# Altium PCB spd150.PcbDoc (part 4 of 16)
Units mm, origin at the board's own origin, x right, y up, seen from the top; angles counter-clockwise.
Board outline 217.35 x 147.5 mm, 10 copper layers (TOP, LYR2-PLN, LYR3-SIG, LYR4-SIG, LYR5-PLN, LYR6-PLN, LYR7-SIG, LYR8-SIG, LYR9-PLN, BOTTOM), stack 2.134 mm thick; 1065 components, 972 nets, 4226 pads, 2810 vias.
Unrouted connection lines stored in the file: 16.
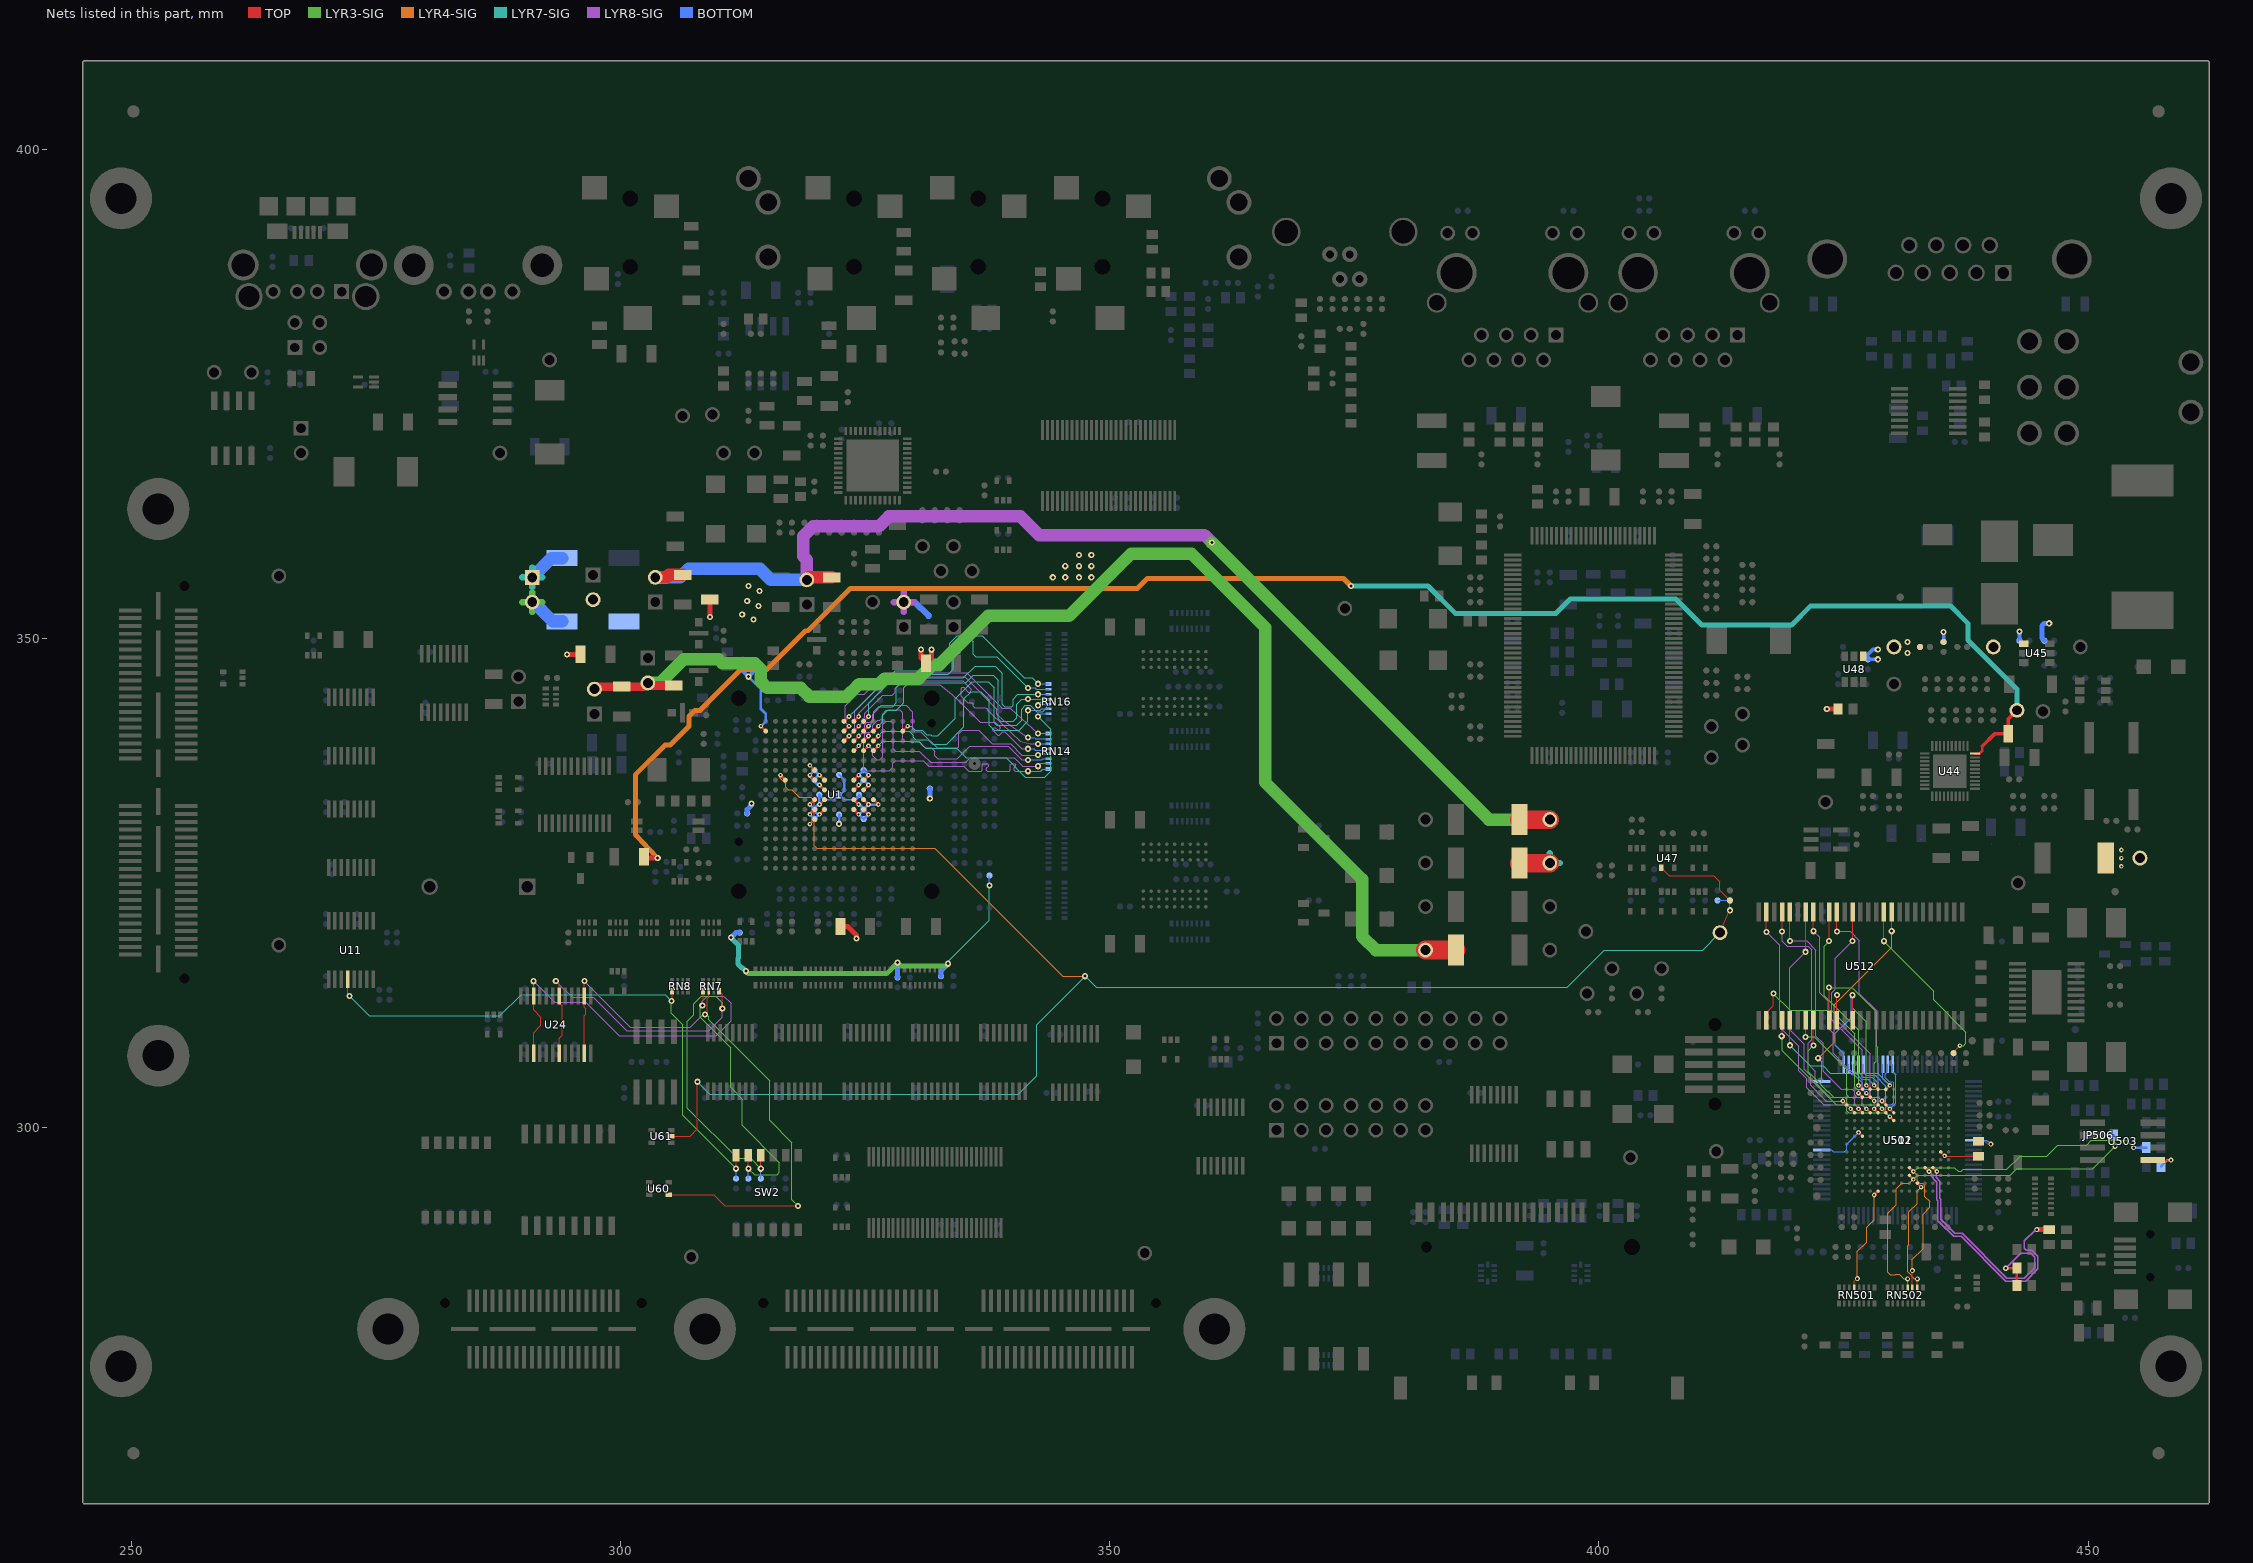
[diagram p12: the nets of this part, all layers, seen from the top]

## Via types
v1: diameter 0.635, hole 0.305, TOP to BOTTOM, 2018 vias
v2: diameter 0.483, hole 0.203, TOP to BOTTOM, 651 vias
v3: diameter 0.508, hole 0.254, TOP to BOTTOM, 120 vias
v4: diameter 0.559, hole 0.254, TOP to BOTTOM, 21 vias

## Nets (pads, with @x,y where several pads share a name; then routed paths per layer and width w, separated by ;. In a path a pad name is that pad's centre, name@x,y a point inside that pad or via, vN(x,y) a via of type N, cw(c..) or ccw(c..) an arc to the next point about the centre after c; other vN are vias at no path point) (continued)
BOOTMODE[1]: R129.1 RN7.8 SW2.10 U24.7 U24.18 | length 57.8
  TOP w0.127: v1(293.37,314.96) 293.695,314.635 U24.18@293.695,313.436 293.695,312.73 294.005,312.42 294.005,309.415 293.695,309.105 U24.7@293.695,307.594 ; RN7.8@310.068,313.931 310.388,313.611 v1(310.388,312.166) ; v1(314.325,295.783) SW2.10@314.325,297.18
  LYR3-SIG w0.127: v1(310.388,312.166) 310.388,312.758 309.71,313.436 308.242,313.436 307.467,312.661 307.467,311.531 306.802,310.866 306.802,301.983 311.948,296.837 313.271,296.837 v1(314.325,295.783)
  LYR8-SIG w0.127: v1(293.37,314.96) 295.021,313.309 297.18,313.309 300.609,309.88 308.991,309.88 310.388,311.277 v1(310.388,312.166)
  BOTTOM w0.127: R129.1@314.325,294.767 v1(314.325,295.783)
BOOTMODE[2]: R128.1 RN7.5 SW2.11 U24.3 U24.22 | length 64.8
  TOP w0.127: U24.3@291.094,307.594 291.094,309.679 291.846,310.431 291.846,311.277 291.094,312.029 U24.22@291.094,313.436 v1(291.094,314.95) ; v1(308.343,312.458) 308.356,312.471 308.356,312.928 308.422,312.994 RN7.5@308.422,313.931 ; v1(313.055,295.783) SW2.11@313.055,297.18
  LYR3-SIG w0.127: v1(308.343,312.458) 308.343,312.407 308.117,312.181 308.117,311.262 311.226,308.153 311.226,304.089 312.42,302.895 312.42,300.228 316.23,296.418 316.23,295.402 315.976,295.148 313.69,295.148 v1(313.055,295.783)
  LYR8-SIG w0.127: v1(291.094,314.95) 293.243,312.801 296.418,312.801 299.847,309.372 309.753,309.372 311.277,310.896 311.277,312.674 310.515,313.436 308.864,313.436 308.356,312.928 308.356,312.471 v1(308.343,312.458)
  BOTTOM w0.127: R128.1@313.055,294.767 v1(313.055,295.783)
BOOTMODE[3]: RN7.6 U24.11 U24.14 U60.4 | length 62.1
  TOP w0.127: v1(296.291,314.96) 296.296,314.955 U24.14@296.296,313.436 296.296,312.293 296.443,312.146 296.443,311.572 296.296,311.424 U24.11@296.296,307.594 ; U60.4@304.902,293.101 309.514,293.101 310.642,291.973 v1(318.135,291.973) ; v1(308.625,311.559) 308.864,311.798 308.864,313.182 308.996,313.314 RN7.6@308.996,313.931
  LYR3-SIG w0.127: v1(308.625,311.559) 308.742,311.559 308.981,311.32 308.981,311.033 315.214,304.8 315.214,300.736 317.5,298.45 317.5,292.608 v1(318.135,291.973)
  LYR8-SIG w0.127: v1(296.291,314.96) 300.99,310.261 307.099,310.261 308.369,311.531 308.597,311.531 v1(308.625,311.559)
BOOTMODE[7]: R127.1 RN8.5 SW2.12 U11.4 | length 60
  TOP w0.127: U11.4@272.09,315.148 272.09,313.634 v1(272.288,313.436) ; v1(305.181,312.928) 305.247,312.994 RN8.5@305.247,313.931 ; v1(311.785,295.783) SW2.12@311.785,297.18
  LYR3-SIG w0.127: v1(305.181,312.928) 305.181,311.658 306.324,310.515 306.324,301.244 v1(311.785,295.783)
  LYR7-SIG w0.127: v1(272.288,313.436) 274.32,311.404 287.655,311.404 289.814,313.563 304.546,313.563 v1(305.181,312.928)
  BOTTOM w0.127: R127.1@311.785,294.767 v1(311.785,295.783)
C5509_CLK12MHZ: R618.2 U502.F2 | length 4
  TOP w0.102: v2(435.331,297.101) 435.379,297.053 R618.2@438.277,297.053
  TOP w0.127: R618.2@438.277,297.053 R618.2@438.785,297.053
  TOP w0.254: U502.F2@434.932,297.503 v2(435.331,297.101)
C5509_RSN: U502.H12 U511.86 | length 5.5
  TOP w0.254: v2(426.527,299.504) U502.H12@426.928,299.105
  BOTTOM w0.102: U511.86@422.783,297.703 423.73,297.703 423.926,297.508 425.092,297.508 425.32,297.736 425.32,298.298 v2(426.527,299.504)
CLK_12MHZ: R618.1 U511.38 | length 3.3
  TOP w0.127: R618.1@438.785,298.577 439.42,298.577 439.674,298.323 440.03,298.323 v3(440.055,298.298)
  BOTTOM w0.127: U511.38@438.277,298.704 439.565,298.704 439.692,298.577 439.776,298.577 v3(440.055,298.298)
CLKMEM: R591.1 U512.38 | length 18.7
  TOP w0.127: v1(429.12,319.037) U512.38@429.12,322.021 ; R591.1@436.245,307.594 436.245,307.721 v2(436.88,308.356)
  LYR3-SIG w0.127: v1(429.12,319.037) 434.213,313.944 434.213,313.055 437.515,309.753 437.515,308.61 437.261,308.356 v2(436.88,308.356)
CLKR0: RN502.10 U502.B5 | length 12
  TOP w0.127: RN502.10@432.537,283.642 v3(432.537,284.531)
  TOP w0.254: U502.B5@432.532,294.302 v2(432.93,293.901)
  LYR4-SIG w0.102: 431.673,290.957 431.673,291.363 432.537,292.227 432.537,293.507 v2(432.93,293.901)
  LYR4-SIG w0.127: 431.673,290.957 431.673,288.036 431.546,287.909 431.546,285.232 432.247,284.531 v3(432.537,284.531)
CLKX0: JP506.1 RN502.12 U502.C6 | length 38.1
  TOP w0.127: RN502.12@431.541,283.642 v3(431.541,284.531)
  TOP w0.254: U502.C6@431.731,295.102 v2(432.13,294.701)
  LYR3-SIG w0.102: v2(432.13,294.701) 432.13,294.716 432.511,295.097 438.277,295.097
  LYR3-SIG w0.127: 438.277,295.097 442.036,295.097 442.722,295.783 450.469,295.783 v3(452.755,298.069)
  LYR4-SIG w0.102: 429.517,290.957 429.517,291.214 430.403,292.1 430.403,293.751 430.947,294.295 431.709,294.295 432.115,294.701 v2(432.13,294.701)
  LYR4-SIG w0.127: 429.517,290.957 429.517,285.184 429.776,284.924 430.263,284.924 430.317,284.978 430.687,284.978 430.741,284.924 430.746,284.924 431.14,284.531 v3(431.541,284.531)
  BOTTOM w0.254: JP506.1@452.628,299.212 452.628,298.45 452.755,298.323 v3(452.755,298.069)
CPU_1V2: C57.1 C58.1 PTP5.2 PTP6.2 R116.1 R117.1 R313.2 R347.1 TP20.1 U1.B1 | length 26.3
  TOP w0.254: v2(314.322,341.015) U1.B1@314.823,340.515
  LYR3-SIG w0.635: 289.941,353.695 PTP6.2@290.957,353.695 ; 290.957,352.679 PTP6.2@290.957,353.695 ; 290.957,354.711 PTP6.2@290.957,353.695 ; 291.973,353.695 PTP6.2@290.957,353.695
  LYR8-SIG w0.635: 327.914,353.695 PTP5.2@328.93,353.695 ; 328.93,352.679 PTP5.2@328.93,353.695 ; 328.93,354.711 PTP5.2@328.93,353.695 ; 329.946,353.695 PTP5.2@328.93,353.695
  BOTTOM w0.254: v1(313.055,346.075) 314.325,344.805 314.325,342.773 314.833,342.265 314.833,341.526 v2(314.322,341.015)
  BOTTOM w0.381: C57.1@312.496,346.837 312.496,346.634 v1(313.055,346.075) 313.69,346.71 C58.1@313.812,346.753
  BOTTOM w0.508: R347.1@445.516,349.758 445.262,350.012 445.262,351.282 445.516,351.536 v1(446.024,351.536)
  BOTTOM w0.635: PTP5.2@328.93,353.695 330.073,353.695 R117.1@331.47,352.298
  BOTTOM w1.27: PTP6.2@290.957,353.695 291.084,353.695 293.053,351.726 R116.1@294.005,351.726
  other v1: 313.563,351.917 312.42,352.425 314.071,353.314 312.928,353.822 314.198,354.838 313.055,355.346 344.17,356.235 345.44,356.235 346.837,356.235 348.107,356.235 345.44,357.378 346.837,357.378 348.107,357.378 346.837,358.521 348.107,358.521
  other v2: 453.39,326.695 453.39,327.533 453.39,328.371
CPU_1V8: PTP8.2 PTP10.2 R57.2 R64.2 R323.2 TP26.1 | length 119.6
  TOP w1.27: PTP10.2@303.53,356.235 304.673,356.235 304.927,356.489 R64.2@306.324,356.489 ; PTP8.2@319.024,355.981 319.278,356.235 R57.2@321.564,356.235
  TOP w1.905: R323.2@391.858,331.47 TP26.1@394.97,331.47
  LYR3-SIG w1.27: v1(360.426,359.791) 388.747,331.47 TP26.1@394.97,331.47
  LYR8-SIG w1.27: PTP8.2@319.024,355.981 319.024,358.013 318.643,358.394 318.643,360.426 319.659,361.442 326.39,361.442 327.406,362.458 340.868,362.458 342.773,360.553 359.664,360.553 v1(360.426,359.791)
  BOTTOM w1.27: PTP10.2@303.53,356.235 306.07,356.235 306.959,357.124 314.198,357.124 315.341,355.981 PTP8.2@319.024,355.981
CPU_3V3: PTP1.2 PTP7.2 PTP9.2 R55.2 R63.2 R115.2 R316.2 TP22.1 | length 129.9
  TOP w0.889: PTP7.2@297.307,344.805 297.561,345.059 R55.2@300.101,345.059 302.387,345.059 PTP9.2@302.768,345.44 303.022,345.186 R63.2@305.435,345.186
  TOP w1.905: TP22.1@382.27,318.135 R316.2@385.381,318.135
  LYR3-SIG w1.27: PTP9.2@302.768,345.44 304.002,345.44 306.415,347.853 310.012,347.853 310.393,347.472 313.69,347.472 314.325,346.837 314.325,345.567 314.96,344.932 318.389,344.932 319.278,344.043 323.083,344.043 323.654,344.614 323.665,344.614 324.363,345.313 326.39,345.313 326.962,345.885 330.444,345.885 331.861,347.281 332.549,347.281 337.566,352.298 345.821,352.298 352.171,358.648 358.343,358.648 365.887,351.104 365.887,335.28 375.793,325.374 375.793,319.532 377.19,318.135 TP22.1@382.27,318.135
CPU_EMIFB_A0: RN14.11 U1.D10 | length 27.5
  TOP w0.254: U1.D10@323.83,338.513 v2(324.33,339.014)
  LYR8-SIG w0.102: v2(324.33,339.014) 324.663,339.347 324.663,339.636 324.937,339.91 324.937,340.18 325.166,340.408 325.496,340.408 325.755,340.667 325.755,341.122 326.255,341.622 326.497,341.622 326.725,341.851 326.725,342.092 327.152,342.519 ; 328.747,342.519 328.816,342.45 328.816,339.674 329.021,339.468 330.49,339.468 330.835,339.123
  LYR8-SIG w0.127: 327.152,342.519 327.358,342.725 328.541,342.725 328.747,342.519 ; 330.835,339.123 331.14,338.818 331.732,338.818 332.105,338.445 332.105,337.99 332.402,337.693 334.411,337.693 335.681,338.963 339.598,338.963 340.995,337.566 v1(341.633,337.566)
  BOTTOM w0.127: v1(341.633,337.566) 343.014,337.566 343.157,337.708 RN14.11@343.741,337.708
CPU_EMIFB_A1: RN14.12 U1.C10 | length 27.6
  TOP w0.254: U1.C10@323.83,339.514 v2(324.33,340.015)
  LYR8-SIG w0.102: v2(324.33,340.015) 324.937,340.622 324.937,341.18 325.166,341.409 325.496,341.409 325.755,341.668 325.755,342.265 326.009,342.519 ; 329.816,342.519 329.832,342.504 329.832,340.678 330.037,340.472 330.683,340.472 330.835,340.319
  LYR8-SIG w0.127: 326.009,342.519 326.644,343.154 329.181,343.154 329.816,342.519 ; 330.835,340.319 332.346,338.808 334.429,338.808 334.556,338.935 334.556,340.236 334.929,340.609 336.591,340.609 337.983,339.217 339.852,339.217 340.995,338.074 v1(342.649,338.074)
  BOTTOM w0.127: v1(342.649,338.074) 342.776,338.201 343.599,338.201 343.604,338.206 RN14.12@343.741,338.206
CPU_EMIFB_A2: RN14.13 U1.B10 | length 27.6
  TOP w0.254: U1.B10@323.83,340.515 v2(324.33,341.015)
  LYR8-SIG w0.102: v2(324.33,341.015) 324.739,341.424 324.739,341.757
  LYR8-SIG w0.127: 324.739,341.757 324.924,341.942 324.924,342.323 326.771,344.17 327.744,344.17 328.041,344.467 328.041,344.874 328.432,345.265 332.59,345.265 333.84,344.302 334.221,343.921 334.223,343.921 336.73,341.414 338.292,341.414 338.803,340.904 338.803,340.746 338.689,340.632 338.531,340.632 338.287,340.876 338.13,340.876 338.016,340.761 338.016,340.604 338.531,340.088 338.689,340.088 339.075,340.474 339.232,340.474 341.003,338.704 v1(341.638,338.704)
  BOTTOM w0.127: v1(341.638,338.704) 342.265,338.704 342.387,338.582 343.035,338.582 343.157,338.704 RN14.13@343.741,338.704
CPU_EMIFB_A3: RN14.14 U1.A10 | length 27.5
  TOP w0.254: U1.A10@323.83,341.516 v2(324.33,342.016)
  LYR8-SIG w0.102: v2(324.33,342.016) 324.33,342.364
  LYR8-SIG w0.127: 324.33,342.364 327.617,345.651 334.942,345.651 335.818,344.775 335.818,344.617 335.704,344.503 335.547,344.503 335.067,344.983 334.909,344.983 334.795,344.868 334.795,344.096 335.481,343.411 335.92,343.411 336.047,343.284 336.047,343.035 336.174,342.908 337.304,342.908 337.947,342.265 340.827,339.496 341.848,339.212 341.859,339.202 v1(342.664,339.202)
  BOTTOM w0.127: v1(342.664,339.202) RN14.14@343.741,339.202
CPU_EMIFB_A4: RN14.10 U1.D11 | length 27.6
  TOP w0.254: U1.D11@324.83,338.513 v2(325.331,339.014)
  LYR8-SIG w0.102: v2(325.331,339.014) 325.78,338.564 325.78,337.972 326.179,337.574 326.494,337.574 326.809,337.889 326.809,341.211 327.099,341.5 327.647,341.5 327.853,341.295 327.853,338.673 328.046,338.48 330.53,338.48 330.835,338.176
  LYR8-SIG w0.127: 330.835,338.176 331.683,337.327 335.255,337.327 335.745,337.817 340.22,337.817 341.107,336.931 v1(342.649,336.931)
  BOTTOM w0.127: v1(342.649,336.931) 342.928,337.21 RN14.10@343.741,337.21
CPU_EMIFB_A5: RN14.9 U1.C11 | length 27.5
  TOP w0.254: U1.C11@324.83,339.514 v2(325.331,340.015)
  LYR8-SIG w0.102: v2(325.331,340.015) 324.866,339.55 324.866,336.677 325.054,336.489 327.442,336.489 327.8,336.847 327.8,337.218 328.079,337.497 330.777,337.497
  LYR8-SIG w0.127: 330.777,337.497 330.937,337.497 331.503,336.931 335.084,336.931 335.592,336.423 336.855,336.423 336.967,336.535 336.967,337.073 337.078,337.185 337.49,337.185 337.602,337.073 337.602,336.916 337.49,336.804 337.459,336.804 337.348,336.692 337.348,336.535 337.459,336.423 339.725,336.423 339.837,336.535 339.837,337.073 339.949,337.185 340.271,337.185 340.383,337.073 340.383,336.916 340.218,336.751 340.218,336.535 340.33,336.423 v1(341.633,336.423)
  BOTTOM w0.127: v1(341.633,336.423) 342.943,336.423 343.157,336.636 RN14.9@343.741,336.636
CPU_EMIFB_A6: RN16.14 U1.B11 | length 27.6
  TOP w0.254: U1.B11@324.83,340.515 v2(325.331,341.015)
  LYR7-SIG w0.102: v2(325.331,341.015) 325.882,341.566 325.882,342.519
  LYR7-SIG w0.127: 325.882,342.519 326.39,343.027 327.787,343.027 328.168,343.408 328.168,344.932 329.184,345.948 335.026,345.948 336.232,347.154 338.272,347.154 338.986,346.441 338.986,343.281 339.24,343.027 339.979,343.027 340.106,343.154 340.106,343.789 340.609,344.292 341.848,344.292 341.859,344.282 v1(342.664,344.282)
  BOTTOM w0.127: v1(342.664,344.282) RN16.14@343.741,344.282
CPU_EMIFB_A7: RN16.15 U1.A11 | length 27.4
  TOP w0.254: U1.A11@324.83,341.516 v2(325.331,342.016)
  LYR7-SIG w0.102: v2(325.331,342.016) 325.331,342.476
  LYR7-SIG w0.127: 325.331,342.476 325.331,343.365 328.295,346.329 333.502,346.329 334.01,346.837 334.01,348.234 334.264,348.488 334.645,348.488 334.772,348.615 334.772,349.631 335.026,349.885 335.788,349.885 336.042,349.631 336.042,348.361 336.296,348.107 338.458,348.107 v1(341.633,344.932)
  BOTTOM w0.127: v1(341.633,344.932) 342.311,344.932 342.453,344.79 342.875,344.79 342.885,344.78 RN16.15@343.741,344.78
CPU_EMIFB_A8: RN16.10 U1.D12 | length 27.6
  TOP w0.254: U1.D12@325.831,338.513 v2(326.332,339.014)
  LYR7-SIG w0.102: v2(326.332,339.014) 326.789,339.471 329.499,339.471 329.552,339.418 330.507,339.418 330.835,339.09
  LYR7-SIG w0.127: 330.835,339.09 331.168,338.757 334.345,338.757 335.316,337.787 339.387,337.787 341.353,335.821 343.327,335.821 343.944,336.438 343.944,340.716 v1(342.649,342.011)
  BOTTOM w0.127: v1(342.649,342.011) 342.928,342.29 RN16.10@343.741,342.29
CPU_EMIFB_A9: RN16.11 U1.C12 | length 27.6
  TOP w0.254: U1.C12@325.831,339.514 v2(326.332,340.015)
  LYR7-SIG w0.102: v2(326.332,340.015) 326.804,340.487 329.514,340.487 329.898,340.103 329.898,339.893 330.17,339.621 330.5,339.621 330.512,339.634 330.838,339.634
  LYR7-SIG w0.127: 330.838,339.634 331.434,339.634 331.881,339.187 333.314,339.187 335.084,340.957 335.084,343.827 335.808,344.551 336.804,344.551 337.693,343.662 337.693,341.122 338.201,340.614 340.741,340.614 341.633,341.506 v1(341.633,342.646)
  BOTTOM w0.127: v1(341.633,342.646) 342.9,342.646 343.042,342.788 RN16.11@343.741,342.788
CPU_EMIFB_A10: RN16.16 U1.A9 | length 27.7
  TOP w0.254: U1.A9@322.829,341.516 v2(323.329,342.016)
  LYR7-SIG w0.102: v2(323.329,342.016) 323.832,342.519
  LYR7-SIG w0.127: 323.832,342.519 323.85,342.519 328.041,346.71 332.74,346.71 333.629,347.599 333.629,349.491 334.404,350.266 336.931,350.266 341.249,345.948 342.054,345.948 v1(342.649,345.354)
  BOTTOM w0.127: v1(342.649,345.354) RN16.16@343.741,345.354
CPU_EMIFB_A11: RN16.13 U1.B12 | length 27.7
  TOP w0.254: U1.B12@325.831,340.515 v2(326.332,341.015)
  LYR7-SIG w0.102: v2(326.332,341.015) 326.771,341.455 326.771,342.265
  LYR7-SIG w0.127: 326.771,342.265 327.152,342.646 328.168,342.646 328.93,343.408 328.93,344.932 329.438,345.44 335.27,345.44 336.032,346.202 338.074,346.202 338.582,345.694 338.582,341.757 338.836,341.503 340.106,341.503 340.487,341.884 340.487,343.281 340.99,343.784 v1(341.638,343.784)
  BOTTOM w0.127: v1(341.638,343.784) 342.443,343.784 342.453,343.774 342.875,343.774 342.885,343.784 RN16.13@343.741,343.784
CPU_EMIFB_A12: RN16.12 U1.B15 | length 27.6
  TOP w0.254: U1.B15@328.833,340.515 v2(329.334,341.015)
  LYR7-SIG w0.102: v2(329.334,341.015) 329.7,341.015 330.093,340.622 330.812,340.622 330.835,340.599
  LYR7-SIG w0.127: 330.835,340.599 331.307,340.126 331.716,340.126 331.81,340.032 332.384,340.032 334.193,341.841 334.193,343.819 335.94,345.567 337.566,345.567 338.201,344.932 338.201,341.376 338.455,341.122 340.487,341.122 340.995,341.63 340.995,342.773 341.376,343.154 341.884,343.154 342.519,342.519 343.154,342.519 343.535,342.9 343.535,343.535 343.408,343.662 343.157,343.662 v1(342.649,343.154)
  BOTTOM w0.127: v1(342.649,343.154) 342.781,343.286 RN16.12@343.741,343.286
CPU_EMIFB_BA0: RN14.15 U1.C9 | length 27.6
  TOP w0.254: U1.C9@322.829,339.514 v2(323.329,340.015)
  LYR8-SIG w0.102: v2(323.329,340.015) 323.936,340.622 323.936,340.868
  LYR8-SIG w0.127: 323.936,340.868 323.924,340.881 323.924,342.593 327.406,346.075 335.153,346.075 338.455,342.773 338.455,342.265 339.085,341.625 v1(341.633,339.852)
  BOTTOM w0.127: v1(341.633,339.852) 342.265,339.852 342.407,339.71 343.731,339.71 RN14.15@343.741,339.7
CPU_EMIFB_BA1: RN14.16 U1.B9 | length 27.7
  TOP w0.254: U1.B9@322.829,340.515 v2(323.329,341.015)
  LYR8-SIG w0.102: 322.936,342.181 322.936,341.409 v2(323.329,341.015)
  LYR8-SIG w0.127: 322.936,342.181 322.936,343.085 324.152,344.302 324.896,344.302 327.083,346.489 335.374,346.489 338.988,342.875 339.819,342.875 v1(342.649,340.274)
  BOTTOM w0.127: v1(342.649,340.274) RN14.16@343.741,340.274
CPU_RESET: R101.2 R102.1 R363.2 TP47.1 U1.G3 U47.4 U61.2 | length 181.9
  TOP w0.127: U61.2@305.156,299.085 307.086,299.085 307.848,299.847 v1(307.848,304.673) ; U47.4@406.385,326.542 407.172,325.755 411.734,325.755 412.369,325.12 412.369,324.231 R101.2@413.385,323.215 v1(413.385,322.199) TP47.1@412.369,319.913
  TOP w0.254: v2(316.324,336.012) U1.G3@316.824,335.511
  LYR4-SIG w0.102: v2(316.324,336.012) 316.324,335.694 316.865,335.153 316.865,334.772 317.119,334.518 317.5,334.518 318.262,333.756 319.405,333.756 319.786,333.375 319.786,328.803 320.04,328.549 330.835,328.549
  LYR4-SIG w0.127: 330.835,328.549 332.105,328.549 345.186,315.468 v1(347.472,315.468)
  LYR7-SIG w0.127: v1(307.848,304.673) 309.118,303.403 340.614,303.403 342.519,305.308 342.519,310.515 v1(347.472,315.468) 348.615,314.325 396.748,314.325 400.558,318.135 410.591,318.135 TP47.1@412.369,319.913
  BOTTOM w0.127: R363.2@412.115,323.215 R102.1@413.385,323.215 v1(413.385,322.199)
CPU_RTC_1V8: C242.1 R100.1 TP28.1 U44.20 | length 179
  TOP w0.254: U44.20@438.429,338.221 438.912,338.221 439.166,338.475 439.166,338.963
  TOP w0.381: 439.166,338.963 440.436,340.233 C242.1@441.833,340.233 441.833,341.757 TP28.1@442.722,342.646
  TOP w0.508: R100.1@302.387,327.66 302.514,327.533 v1(303.784,327.533)
  LYR4-SIG w0.508: v1(303.784,327.533) 301.498,329.946 301.498,336.042 304.546,339.09 305.054,339.09 306.959,340.995 306.959,342.011 307.594,342.646 308.102,342.646 312.293,346.837 314.96,346.837 318.897,350.774 319.151,350.774 323.469,355.092 352.806,355.092 353.822,356.108 373.888,356.108 v1(374.65,355.346)
  LYR7-SIG w0.508: v1(374.65,355.346) 382.524,355.346 385.318,352.552 395.605,352.552 397.065,354.012 407.861,354.012 410.527,351.345 419.671,351.345 421.64,353.314 435.928,353.314 437.705,351.536 437.705,349.821 442.722,344.805 TP28.1@442.722,342.646
CSN_A0: JP508.2 U503.1 | length 3.1
  TOP w0.127: U503.1@456.603,296.672 v3(458.47,296.672)
  BOTTOM w0.254: JP508.2@457.454,296.037 458.089,296.672 v3(458.47,296.672)
CVDD: C59.2 C60.2 C61.2 C62.2 C63.2 C64.2 C65.2 C66.2 C67.2 C68.2 C69.1 C70.1 C71.1 C72.1 C73.2 C74.2 C75.2 C76.2 C77.2 PTP6.1 R116.2 U1.F6 U1.G6 U1.G7 U1.G10 U1.G11 U1.H7 U1.H10 U1.H11 U1.J6 U1.J7 U1.J10 U1.J11 U1.J12 U1.K6 U1.K7 U1.K10 U1.K11 U1.L6 | length 62.3
  TOP w0.254: v2(319.326,331.008) U1.L6@319.827,331.508 ; v2(319.326,332.008) U1.K6@319.827,332.509 ; v2(319.326,333.009) U1.J6@319.827,333.51 ; v2(319.326,336.012) U1.G6@319.827,335.511 ; v2(319.326,337.012) U1.F6@319.827,336.512 ; v2(320.327,332.008) U1.K7@320.827,332.509 ; v2(320.327,333.009) U1.J7@320.827,333.51 ; v2(320.327,335.011) U1.H7@320.827,334.51 ; v2(320.327,336.012) U1.G7@320.827,335.511 ; U1.K10@323.83,332.509 v2(324.33,332.008) ; U1.J10@323.83,333.51 v2(324.33,333.009) ; U1.H10@323.83,334.51 v2(324.33,335.011) ; U1.G10@323.83,335.511 v2(324.33,336.012) ; U1.K11@324.83,332.509 v2(325.331,332.008) ; U1.J11@324.83,333.51 v2(325.331,333.009) ; U1.H11@324.83,334.51 v2(325.331,335.011) ; U1.G11@324.83,335.511 v2(325.331,336.012) ; U1.J12@325.831,333.51 v2(326.332,333.009)
  TOP w0.508: v1(294.513,348.361) C69.1@295.91,348.361 ; v1(309.118,352.171) C72.1@309.118,353.949 ; C70.1@322.453,320.548 323.215,320.548 324.104,319.659 v1(324.104,319.329) ; v1(330.708,348.869) 330.708,347.98 C71.1@331.216,347.472 331.775,348.031 v1(331.775,348.844)
  LYR7-SIG w0.635: 289.941,356.235 PTP6.1@290.957,356.235 ; 290.957,355.219 PTP6.1@290.957,356.235 ; 290.957,357.251 PTP6.1@290.957,356.235 ; 291.973,356.235 PTP6.1@290.957,356.235
  BOTTOM w0.152: C67.2@320.294,334.01 320.827,333.477 321.793,333.477 C60.2@322.326,334.01 322.859,333.477 323.863,333.477 323.913,333.426
  BOTTOM w0.229: C60.2@322.326,334.01 322.453,334.01 322.859,334.416 322.859,335.509 C66.2@322.326,336.042
  BOTTOM w0.254: v2(319.326,331.008) 319.811,331.493 C62.2@319.811,331.521 ; v2(319.326,333.009) 319.326,332.997 C65.2@319.811,332.511 ; v2(319.326,337.012) 319.326,337.01 C68.2@319.811,336.525 ; C67.2@320.294,334.01 320.294,333.042 v2(320.327,333.009) 320.182,333.009 319.811,332.638 C65.2@319.811,332.511 ; v2(320.327,332.008) v2@320.137,332.008 ; v2(320.327,335.011) 320.182,335.011 319.811,335.382 C75.2@319.811,335.509 ; v2(320.327,336.012) v2@320.238,336.012 ; v1(322.326,331.038) C64.2@322.326,331.978 ; v2(324.33,335.011) 324.419,335.011 324.612,335.204 324.612,335.28 C74.2@324.841,335.509 ; C76.2@324.841,336.525 C76.2@324.841,336.502 ; v2(325.331,335.011) 324.841,335.501 C74.2@324.841,335.509 ; v2(326.332,333.009) v2(325.331,333.009) ; C62.2@319.811,331.521 319.326,332.006 v2(319.326,332.008) 319.326,332.026 C65.2@319.811,332.511 ; C62.2@319.811,331.521 320.137,331.846 v2@320.137,332.008 ; C65.2@319.811,332.511 319.811,332.334 v2@320.137,332.008 ; C75.2@319.811,335.509 319.811,335.585 v2@320.238,336.012 ; C75.2@319.811,335.509 319.684,335.509 319.326,335.867 v2(319.326,336.012) 319.326,336.039 C68.2@319.811,336.525 ; C68.2@319.811,336.525 320.238,336.098 v2@320.238,336.012 ; C77.2@324.815,332.511 324.828,332.511 v2(325.331,332.008) 324.843,331.521 C73.2@324.841,331.521 324.818,331.521 v2(324.33,332.008) 324.381,332.008 324.815,332.443 C77.2@324.815,332.511 ; C77.2@324.815,332.511 325.313,333.009 v2(325.331,333.009) ; C77.2@324.815,332.511 324.815,332.588 324.394,333.009 v2(324.33,333.009) 323.913,333.426 324.358,333.87 C59.2@324.358,334.01 325.331,333.037 v2(325.331,333.009) ; C74.2@324.841,335.509 324.841,335.585 324.414,336.012 v2(324.33,336.012) 324.82,336.502 C76.2@324.841,336.502 ; C74.2@324.841,335.509 325.331,335.999 v2(325.331,336.012) C76.2@324.841,336.502
  BOTTOM w0.508: C61.2@312.928,332.105 312.928,332.486 313.36,332.918 v1(313.36,333.121) ; v1(331.597,333.629) C63.2@331.597,334.645
  BOTTOM w1.27: PTP6.1@290.957,356.235 292.925,358.203 R116.2@294.005,358.203
D0: U502.L8 U511.12 U512.2 | length 29.3
  TOP w0.127: U512.2@417.119,310.947 417.119,311.709 417.83,312.42 v1(417.83,313.69)
  TOP w0.254: v2(429.727,301.904) U502.L8@430.129,301.506
  LYR3-SIG w0.102: 426.136,306.553 426.136,304.472 426.133,304.47 426.133,304.117 426.352,303.898 429.092,303.898 429.321,303.67 429.321,302.311 v2(429.727,301.904)
  LYR3-SIG w0.127: v1(417.83,313.69) 419.544,311.976 423.736,311.976 426.136,309.575 426.136,306.553
  BOTTOM w0.102: v2(429.727,301.904) 429.931,302.108 429.979,302.108 430.324,302.453 430.324,305.387 430.03,305.681 U511.12@430.03,306.451
D1: U502.K8 U511.11 U512.4 | length 24.4
  TOP w0.127: v1(418.676,309.329) 418.719,309.372 U512.4@418.719,310.947
  TOP w0.254: v2(429.727,301.104) U502.K8@430.129,300.706
  LYR3-SIG w0.102: 422.783,303.784 424.256,302.311 425.094,302.311 425.323,302.082 425.323,301.727 425.552,301.498 429.334,301.498 v2(429.727,301.104)
  LYR3-SIG w0.127: v1(418.676,309.329) 418.719,309.286 418.719,307.848 422.783,303.784
  BOTTOM w0.102: U511.11@429.529,306.451 429.529,305.704 429.26,305.435 429.26,305.084 429.646,304.698 430.022,304.698 430.121,304.599 430.121,302.539 429.892,302.311 429.575,302.311 429.334,302.07 429.334,301.498 v2(429.727,301.104)
D2: U502.P9 U511.10 U512.5 | length 17.5
  TOP w0.127: v1(419.519,308.394) U512.5@419.519,310.947
  TOP w0.254: U502.P9@429.329,303.906 v2(429.727,304.305)
  LYR7-SIG w0.102: 422.656,306.299 422.91,306.299 423.647,305.562 428.47,305.562 v2(429.727,304.305)
  LYR7-SIG w0.127: v1(419.519,308.394) 421.615,306.299 422.656,306.299
  BOTTOM w0.102: U511.10@429.029,306.451 429.029,305.003 v2(429.727,304.305)
D3: U502.M9 U511.6 U512.7 | length 19.7
  TOP w0.127: v1(421.119,309.258) U512.7@421.119,310.947
  TOP w0.254: v2(428.927,302.704) U502.M9@429.329,302.306
  LYR3-SIG w0.102: 425.323,305.943 425.323,303.339 425.552,303.111 428.521,303.111 v2(428.927,302.704)
  LYR3-SIG w0.127: v1(421.119,309.258) 422.008,309.258 425.323,305.943
  BOTTOM w0.102: U511.6@427.027,306.451 427.027,305.636 427.33,305.333 428.219,305.333 429.321,304.231 429.321,303.098 v2(428.927,302.704)
D4: U502.L9 U511.5 U512.8 | length 21.4
  TOP w0.127: v1(421.919,308.381) U512.8@421.919,310.947
  TOP w0.254: v2(428.927,301.904) U502.L9@429.329,301.506
  LYR3-SIG w0.102: 422.783,304.292 422.783,304.289 423.974,303.098 425.12,303.098 425.323,302.895 425.323,302.55 425.562,302.311 428.521,302.311 v2(428.927,301.904)
  LYR3-SIG w0.127: v1(421.919,308.381) 421.386,307.848 421.386,305.689 422.783,304.292
  BOTTOM w0.102: U511.5@426.527,306.451 426.527,305.628 427.025,305.13 427.914,305.13 428.521,304.523 428.521,302.311 v2(428.927,301.904)
D5: U502.P10 U511.4 U512.10 | length 20.7
  TOP w0.127: U512.10@423.52,310.947 v1(423.52,314.3)
  TOP w0.254: v2(428.127,304.305) U502.P10@428.528,303.906
  LYR3-SIG w0.102: v2(428.127,304.305) 428.127,306.578
  LYR3-SIG w0.127: v1(423.52,314.3) 425.864,314.3 428.333,311.831 428.333,306.784 428.127,306.578
  BOTTOM w0.102: U511.4@426.027,306.451 426.027,305.783 426.883,304.927 427.505,304.927 v2(428.127,304.305)
D6: U502.M10 U511.3 U512.11 | length 20.7
  TOP w0.127: U512.11@424.32,310.947 v1(424.32,313.55) ; v2(428.127,302.704) U502.M10@428.528,302.306
  LYR8-SIG w0.102: 427.736,306.578 427.733,306.575 427.733,303.098 v2(428.127,302.704)
  LYR8-SIG w0.127: v1(424.32,313.55) 424.32,310.947 427.736,307.53 427.736,306.578
  BOTTOM w0.102: U511.3@425.526,306.451 425.526,305.788 425.905,305.41 426.11,305.41 426.933,304.587 426.933,304.14 427.162,303.911 427.492,303.911 427.733,303.67 427.733,303.098 v2(428.127,302.704)
D7: U502.P11 U511.2 U512.13 | length 21.1
  TOP w0.127: U512.13@425.92,310.947 v1(425.92,313.525)
  TOP w0.254: v2(427.327,304.305) U502.P11@427.728,303.906
  LYR3-SIG w0.102: v2(427.327,304.305) 427.327,306.578
  LYR3-SIG w0.127: v1(425.92,313.525) 425.958,313.487 425.958,312.166 427.327,310.797 427.327,306.578
  BOTTOM w0.102: U511.2@425.026,306.451 U511.2@425.026,306.578
  BOTTOM w0.127: U511.2@425.026,306.578 425.026,307.553 424.175,308.404 424.175,309.626 425.767,311.219 425.767,313.373 v1(425.92,313.525)
D8: U502.N11 U512.42 | length 21.4
  TOP w0.127: v1(425.92,319.062) U512.42@425.92,322.021
  TOP w0.254: v2(427.327,303.505) U502.N11@427.728,303.106
  LYR8-SIG w0.102: 426.933,306.537 426.933,303.898 v2(427.327,303.505)
  LYR8-SIG w0.127: v1(425.92,319.062) 424.167,317.31 424.167,314.117 423.812,313.761 423.812,311.036 426.933,307.914 426.933,306.537
D9: U502.L10 U512.44 | length 23.4
  TOP w0.127: v1(424.32,320.04) U512.44@424.32,322.021
  TOP w0.254: v2(428.127,301.904) U502.L10@428.528,301.506
  LYR8-SIG w0.102: v2(428.127,301.904) 428.521,302.298 428.521,306.555 428.498,306.578
  LYR8-SIG w0.127: v1(424.32,320.04) 425.661,320.04 426.593,319.108 426.593,313.69 428.371,311.912 428.371,308.326 428.498,308.199 428.498,306.578
D10: U502.P12 U512.45 | length 19.9
  TOP w0.127: v1(423.52,319.049) U512.45@423.52,322.021
  TOP w0.254: v2(426.527,304.305) U502.P12@426.928,303.906
  LYR3-SIG w0.102: v2(426.527,304.305) 426.527,306.578
  LYR3-SIG w0.127: v1(423.52,319.049) 423.012,318.541 423.012,313.474 426.527,309.959 426.527,306.578
D11: U502.N12 U512.47 | length 21
  TOP w0.127: v1(421.919,320.065) U512.47@421.919,322.021
  TOP w0.254: v2(426.527,303.505) U502.N12@426.928,303.106
  LYR8-SIG w0.102: 424.942,306.578 426.133,305.387 426.133,304.14 426.527,303.746 v2(426.527,303.505)
  LYR8-SIG w0.127: v1(421.919,320.065) 422.554,319.43 422.554,313.792 423.418,312.928 423.418,310.134 423.926,309.626 423.926,307.594 424.942,306.578
D12: U502.M14 U512.48 | length 23.8
  TOP w0.127: v1(421.119,317.957) U512.48@421.119,322.021
  TOP w0.254: v2(424.927,302.704) 425.326,302.306 U502.M14@425.328,302.306
  LYR8-SIG w0.102: 422.783,303.149 423.227,302.704 v2(424.927,302.704)
  LYR8-SIG w0.127: v1(421.119,317.957) 419.481,316.319 419.481,310.007 421.005,308.483 421.005,305.943 421.64,305.308 421.64,304.292 422.783,303.149
D13: U502.L11 U512.50 | length 25.8
  TOP w0.127: v1(419.519,319.062) U512.50@419.519,322.021
  TOP w0.254: v2(427.327,301.904) U502.L11@427.728,301.506
  LYR8-SIG w0.102: 422.91,306.578 422.91,305.763 424.762,303.911 425.879,303.911 426.121,303.67 426.121,303.352 426.362,303.111 426.679,303.111 426.921,302.87 426.921,302.311 v2(427.327,301.904)
  LYR8-SIG w0.127: v1(419.519,319.062) 421.221,319.062 422.178,318.105 422.178,309.342 422.91,308.61 422.91,306.578
D14: U502.L12 U512.51 | length 26.9
  TOP w0.127: v1(418.719,320.04) U512.51@418.719,322.021
  TOP w0.254: v2(426.527,301.904) U502.L12@426.928,301.506
  LYR8-SIG w0.102: 422.783,303.911 423.596,303.098 425.892,303.098 426.121,302.87 426.121,302.351 426.527,301.945 v2(426.527,301.904)
  LYR8-SIG w0.127: v1(418.719,320.04) 418.719,319.024 419.227,318.516 421.406,318.516 421.767,318.155 421.767,308.991 421.386,308.61 421.386,306.451 422.084,305.752 422.084,304.609 422.783,303.911
D15: U502.L13 U512.53 | length 25.7
  TOP w0.127: v1(417.119,319.989) U512.53@417.119,322.021
  TOP w0.254: v2(425.727,301.904) U502.L13@426.128,301.506
  LYR8-SIG w0.102: 422.783,302.514 422.986,302.311 425.399,302.311 425.727,301.983 v2(425.727,301.904)
  LYR8-SIG w0.127: v1(417.119,319.989) 418.465,318.643 418.465,310.261 420.433,308.292 420.433,305.813 421.259,304.988 421.259,304.038 422.783,302.514
DC_3V3: R67.1 R70.2 R73.1 R81.1 | length 40.6
  LYR3-SIG w0.508: v1(312.801,315.976) 313.055,315.722 327.177,315.722 v1(328.295,316.84) 328.651,316.484 333.248,316.484 333.451,316.687 v1(333.451,316.738)
  LYR7-SIG w0.127: v1(333.451,316.738) 333.451,316.941 337.693,321.183 v1(337.693,324.739)
  LYR7-SIG w0.508: v1(311.277,319.405) 312.039,318.643 312.039,317.345 311.976,317.282 311.976,316.702 312.384,316.293 312.483,316.293 v1(312.801,315.976)
  BOTTOM w0.127: v1(337.693,324.739) R81.1@337.693,325.755
  BOTTOM w0.508: v1(311.277,319.405) 311.785,319.913 R73.1@312.166,319.913 ; R67.1@328.295,315.341 v1(328.295,316.84) ; R70.2@332.74,315.468 332.74,316.027 v1(333.451,316.738)
DN_USB: C504.1 R508.1 U502.D3 | length 26
  TOP w0.254: U502.D3@434.132,295.902 v2(434.53,295.501) ; v4(441.579,285.623) R508.1@442.722,285.623 C504.1@442.722,283.845
  LYR8-SIG w0.152: v2(434.53,295.501) 434.454,295.425 434.454,294.907 434.848,294.513 434.848,292.745 434.937,292.656 434.937,290.614 436.372,289.179 437.134,289.179 441.706,284.607 443.479,284.607 444.548,285.676 444.548,286.718 444.119,287.147 443.103,287.147 v4(441.579,285.623)
DP_USB: C502.1 R504.1 U502.D4 | length 27.3
  TOP w0.254: U502.D4@433.332,295.902 v2(433.73,295.501)
  TOP w0.508: v3(444.754,289.56) R504.1@446.024,289.56
  LYR8-SIG w0.152: v2(433.73,295.501) 433.939,295.293 433.939,295.09 434.149,294.879 434.149,294.78 434.543,294.386 434.543,292.618 434.632,292.529 434.632,290.487 436.245,288.874 437.007,288.874 441.579,284.302 443.606,284.302 444.853,285.549 444.853,286.845 444.246,287.452 443.687,287.452 443.484,287.655 443.484,288.417 444.627,289.56 v3(444.754,289.56)
  BOTTOM w0.381: v3(444.754,289.56) C502.1@446.024,289.56
DR0: JP509.1 RN502.11 U502.D6 | length 39.8
  TOP w0.127: RN502.11@432.039,283.642 v3(432.039,285.369)
  TOP w0.254: U502.D6@431.731,295.902 v2(432.13,295.501)
  LYR3-SIG w0.102: v2(432.13,295.501) 432.153,295.501 432.559,295.907 436.324,295.907 436.715,295.516 437.045,295.516 437.248,295.719 438.277,295.719
  LYR3-SIG w0.127: 438.277,295.719 441.706,295.719 443.039,297.053 445.77,297.053 446.913,298.196 449.834,298.196 450.342,298.704 453.898,298.704 v3(454.66,297.942)
  LYR4-SIG w0.102: v2(432.13,295.501) 432.537,295.095 432.537,294.536 432.778,294.295 433.095,294.295 433.324,294.066 433.324,292.936 433.819,292.44 433.819,291.833 433.126,291.14 433.126,290.957
  LYR4-SIG w0.127: v3(432.039,285.369) 432.039,286.512 433.126,287.599 433.126,290.957
  BOTTOM w0.254: v3(454.66,297.942) JP509.1@455.93,297.942
DR2: RN501.13 U502.A10 | length 10.9
  TOP w0.127: RN501.13@426.09,283.642 426.09,284.282 426.364,284.556 v3(426.415,284.556)
  TOP w0.254: v2(428.127,293.101) U502.A10@428.528,293.502
  LYR4-SIG w0.102: 428.127,290.957 v2(428.127,293.101)
  LYR4-SIG w0.127: v3(426.415,284.556) 426.415,287.35 427.355,288.29 427.355,289.814 428.127,290.586 428.127,290.957
DRAM_EN: U511.100 U512.37 | length 20.6
  TOP w0.127: v1(429.92,320.065) U512.37@429.92,322.021
  LYR4-SIG w0.127: v1(422.402,307.086) 424.053,308.737 424.053,312.547 429.92,318.414 v1(429.92,320.065)
  BOTTOM w0.102: U511.100@422.783,304.709 422.783,306.578
  BOTTOM w0.127: v1(422.402,307.086) 422.783,306.705 422.783,306.578
DSK_1V2_SYS_OKAY: R346.1 R361.1 R364.1 TP30.1 U45.1 | length 2
  BOTTOM w0.381: R364.1@435.229,349.631 v1(435.229,350.647) ; R346.1@442.976,349.758 v1(442.976,350.698)
DSK_1V8: R318.2 R350.1 TP24.1 | length 7.3
  TOP w0.508: v1(423.291,342.773) R350.1@424.434,342.773
  TOP w1.905: R318.2@391.858,327.025 TP24.1@394.97,327.025
  LYR7-SIG w0.635: 393.954,327.025 TP24.1@394.97,327.025 ; 394.97,328.041 TP24.1@394.97,327.025 ; 395.986,327.025 TP24.1@394.97,327.025
DSK_1V8_SYS_OKAY: R349.1 R359.1 R365.1 TP31.1 U48.1 | length 2.8
  BOTTOM w0.381: v1(428.498,347.853) R349.1@427.482,347.853 427.482,348.361 427.99,348.869 v1(428.498,348.869)
  other v1: 431.546,348.488 431.546,349.631

## Text inside footprints (layer, text, board x,y; h text height)
R257: PIN_NUMBER "1" at 404.292,364.998 h0.51 r90; PIN_NUMBER "2" at 404.292,363.982 h0.51 r90; ASSEMBLY_BOTTOM "NO-POP" at 404.495,364.49 h0.64 r90; ASSEMBLY_BOTTOM "TOLERANCE" at 407.035,364.49 h0.64 r90; ASSEMBLY_BOTTOM "USERPART#" at 408.305,364.49 h0.64 r90; SYMBOL_PART_DIM "PAD 35X32 OV" at 409.27,367.614 h0.64 r90; SYMBOL_PART_DIM "C402-35X32" at 408,367.614 h0.64 r90; SYMBOL_PART_DIM "0" at 406.629,364.693 h0.64 r90; SYMBOL_PART_DIM "0" at 404.825,366.827 h0.64 r90
R258: PIN_NUMBER "1" at 411.785,358.14 h0.51; PIN_NUMBER "2" at 410.769,358.14 h0.51; ASSEMBLY_BOTTOM "NO-POP" at 411.48,358.14 h0.64; ASSEMBLY_BOTTOM "TOLERANCE" at 411.48,355.6 h0.64; ASSEMBLY_BOTTOM "USERPART#" at 411.48,354.33 h0.64; SYMBOL_PART_DIM "PAD 35X32 OV" at 414.604,353.365 h0.64; SYMBOL_PART_DIM "C402-35X32" at 414.604,354.635 h0.64; SYMBOL_PART_DIM "0" at 411.683,356.006 h0.64; SYMBOL_PART_DIM "0" at 413.817,357.81 h0.64
R259: PIN_NUMBER "1" at 415.468,357.505 h0.51; PIN_NUMBER "2" at 414.452,357.505 h0.51; ASSEMBLY_BOTTOM "2K" at 415.163,357.505 h0.64; ASSEMBLY_BOTTOM "TOLERANCE" at 415.163,354.965 h0.64; ASSEMBLY_BOTTOM "USERPART#" at 415.163,353.695 h0.64; SYMBOL_PART_DIM "PAD 35X32 OV" at 418.287,352.73 h0.64; SYMBOL_PART_DIM "C402-35X32" at 418.287,354 h0.64; SYMBOL_PART_DIM "0" at 415.366,355.371 h0.64; SYMBOL_PART_DIM "0" at 417.5,357.175 h0.64
R260: PIN_NUMBER "1" at 411.785,356.87 h0.51; PIN_NUMBER "2" at 410.769,356.87 h0.51; ASSEMBLY_BOTTOM "2K" at 411.48,356.87 h0.64; ASSEMBLY_BOTTOM "TOLERANCE" at 411.48,354.33 h0.64; ASSEMBLY_BOTTOM "USERPART#" at 411.48,353.06 h0.64; SYMBOL_PART_DIM "PAD 35X32 OV" at 414.604,352.095 h0.64; SYMBOL_PART_DIM "C402-35X32" at 414.604,353.365 h0.64; SYMBOL_PART_DIM "0" at 411.683,354.736 h0.64; SYMBOL_PART_DIM "0" at 413.817,356.54 h0.64
R261: PIN_NUMBER "1" at 415.468,356.235 h0.51; PIN_NUMBER "2" at 414.452,356.235 h0.51; ASSEMBLY_BOTTOM "NO-POP" at 415.163,356.235 h0.64; ASSEMBLY_BOTTOM "TOLERANCE" at 415.163,353.695 h0.64; ASSEMBLY_BOTTOM "USERPART#" at 415.163,352.425 h0.64; SYMBOL_PART_DIM "PAD 35X32 OV" at 418.287,351.46 h0.64; SYMBOL_PART_DIM "C402-35X32" at 418.287,352.73 h0.64; SYMBOL_PART_DIM "0" at 415.366,354.101 h0.64; SYMBOL_PART_DIM "0" at 417.5,355.905 h0.64
R262: PIN_NUMBER "1" at 411.785,354.33 h0.51; PIN_NUMBER "2" at 410.769,354.33 h0.51; ASSEMBLY_BOTTOM "NO-POP" at 411.48,354.33 h0.64; ASSEMBLY_BOTTOM "TOLERANCE" at 411.48,351.79 h0.64; ASSEMBLY_BOTTOM "USERPART#" at 411.48,350.52 h0.64; SYMBOL_PART_DIM "PAD 35X32 OV" at 414.604,349.555 h0.64; SYMBOL_PART_DIM "C402-35X32" at 414.604,350.825 h0.64; SYMBOL_PART_DIM "0" at 411.683,352.196 h0.64; SYMBOL_PART_DIM "0" at 413.817,354 h0.64
R263: PIN_NUMBER "1" at 414.96,346.075 h0.51; PIN_NUMBER "2" at 413.944,346.075 h0.51; ASSEMBLY_BOTTOM "2K" at 414.655,346.075 h0.64; ASSEMBLY_BOTTOM "TOLERANCE" at 414.655,343.535 h0.64; ASSEMBLY_BOTTOM "USERPART#" at 414.655,342.265 h0.64; SYMBOL_PART_DIM "PAD 35X32 OV" at 417.779,341.3 h0.64; SYMBOL_PART_DIM "C402-35X32" at 417.779,342.57 h0.64; SYMBOL_PART_DIM "0" at 414.858,343.941 h0.64; SYMBOL_PART_DIM "0" at 416.992,345.745 h0.64
R264: PIN_NUMBER "1" at 411.785,345.44 h0.51; PIN_NUMBER "2" at 410.769,345.44 h0.51; ASSEMBLY_BOTTOM "2K" at 411.48,345.44 h0.64; ASSEMBLY_BOTTOM "TOLERANCE" at 411.48,342.9 h0.64; ASSEMBLY_BOTTOM "USERPART#" at 411.48,341.63 h0.64; SYMBOL_PART_DIM "PAD 35X32 OV" at 414.604,340.665 h0.64; SYMBOL_PART_DIM "C402-35X32" at 414.604,341.935 h0.64; SYMBOL_PART_DIM "0" at 411.683,343.306 h0.64; SYMBOL_PART_DIM "0" at 413.817,345.11 h0.64
R265: PIN_NUMBER "1" at 414.96,344.805 h0.51; PIN_NUMBER "2" at 413.944,344.805 h0.51; ASSEMBLY_BOTTOM "NO-POP" at 414.655,344.805 h0.64; ASSEMBLY_BOTTOM "TOLERANCE" at 414.655,342.265 h0.64; ASSEMBLY_BOTTOM "USERPART#" at 414.655,340.995 h0.64; SYMBOL_PART_DIM "PAD 35X32 OV" at 417.779,340.03 h0.64; SYMBOL_PART_DIM "C402-35X32" at 417.779,341.3 h0.64; SYMBOL_PART_DIM "0" at 414.858,342.671 h0.64; SYMBOL_PART_DIM "0" at 416.992,344.475 h0.64
R266: PIN_NUMBER "2" at 393.294,363.728 h1.02 r270; PIN_NUMBER "1" at 393.294,365.252 h1.02 r270; ASSEMBLY_TOP "X" at 393.319,363.474 h1.02 r270; ASSEMBLY_TOP "X" at 393.319,364.363 h1.02 r270; ASSEMBLY_TOP "3.01K" at 393.319,365.125 h1.02 r270; SYMB_DIM "0" at 393.192,368.173 h1.02 r270; SYMB_DIM "0" at 390.144,364.998 h1.02 r270; SYMB_DIM "R603-35X45" at 398.526,369.824 h1.02 r270; SYMB_DIM "SP  35X45OV" at 392.303,359.791 h1.02 r270; SYMB_DIM "SM  43X53OV" at 394.081,359.791 h1.02 r270; SYMB_DIM "PAD 35X45OV" at 395.605,359.791 h1.02 r270
R267: PIN_NUMBER "1" at 386.639,340.995 h0.51 r180; PIN_NUMBER "2" at 387.655,340.995 h0.51 r180; ASSEMBLY_BOTTOM "NO-POP" at 387.35,340.995 h0.64 r180; ASSEMBLY_BOTTOM "TOLERANCE" at 387.35,343.535 h0.64 r180; ASSEMBLY_BOTTOM "USERPART#" at 387.35,344.805 h0.64 r180; SYMBOL_PART_DIM "PAD 35X32 OV" at 384.226,345.77 h0.64 r180; SYMBOL_PART_DIM "C402-35X32" at 384.226,344.5 h0.64 r180; SYMBOL_PART_DIM "0" at 387.147,343.129 h0.64 r180; SYMBOL_PART_DIM "0" at 385.013,341.325 h0.64 r180
R268: PIN_NUMBER "1" at 386.639,339.725 h0.51 r180; PIN_NUMBER "2" at 387.655,339.725 h0.51 r180; ASSEMBLY_BOTTOM "2K" at 387.35,339.725 h0.64 r180; ASSEMBLY_BOTTOM "TOLERANCE" at 387.35,342.265 h0.64 r180; ASSEMBLY_BOTTOM "USERPART#" at 387.35,343.535 h0.64 r180; SYMBOL_PART_DIM "PAD 35X32 OV" at 384.226,344.5 h0.64 r180; SYMBOL_PART_DIM "C402-35X32" at 384.226,343.23 h0.64 r180; SYMBOL_PART_DIM "0" at 387.147,341.859 h0.64 r180; SYMBOL_PART_DIM "0" at 385.013,340.055 h0.64 r180
R269: PIN_NUMBER "1" at 386.639,347.345 h0.51 r180; PIN_NUMBER "2" at 387.655,347.345 h0.51 r180; ASSEMBLY_BOTTOM "2K" at 387.35,347.345 h0.64 r180; ASSEMBLY_BOTTOM "TOLERANCE" at 387.35,349.885 h0.64 r180; ASSEMBLY_BOTTOM "USERPART#" at 387.35,351.155 h0.64 r180; SYMBOL_PART_DIM "PAD 35X32 OV" at 384.226,352.12 h0.64 r180; SYMBOL_PART_DIM "C402-35X32" at 384.226,350.85 h0.64 r180; SYMBOL_PART_DIM "0" at 387.147,349.479 h0.64 r180; SYMBOL_PART_DIM "0" at 385.013,347.675 h0.64 r180
R270: PIN_NUMBER "1" at 386.639,346.075 h0.51 r180; PIN_NUMBER "2" at 387.655,346.075 h0.51 r180; ASSEMBLY_BOTTOM "NO-POP" at 387.35,346.075 h0.64 r180; ASSEMBLY_BOTTOM "TOLERANCE" at 387.35,348.615 h0.64 r180; ASSEMBLY_BOTTOM "USERPART#" at 387.35,349.885 h0.64 r180; SYMBOL_PART_DIM "PAD 35X32 OV" at 384.226,350.85 h0.64 r180; SYMBOL_PART_DIM "C402-35X32" at 384.226,349.58 h0.64 r180; SYMBOL_PART_DIM "0" at 387.147,348.209 h0.64 r180; SYMBOL_PART_DIM "0" at 385.013,346.405 h0.64 r180
R271: PIN_NUMBER "1" at 415.468,353.695 h0.51; PIN_NUMBER "2" at 414.452,353.695 h0.51; ASSEMBLY_BOTTOM "2K" at 415.163,353.695 h0.64; ASSEMBLY_BOTTOM "TOLERANCE" at 415.163,351.155 h0.64; ASSEMBLY_BOTTOM "USERPART#" at 415.163,349.885 h0.64; SYMBOL_PART_DIM "PAD 35X32 OV" at 418.287,348.92 h0.64; SYMBOL_PART_DIM "C402-35X32" at 418.287,350.19 h0.64; SYMBOL_PART_DIM "0" at 415.366,351.561 h0.64; SYMBOL_PART_DIM "0" at 417.5,353.365 h0.64
R272: PIN_NUMBER "1" at 411.785,359.41 h0.51; PIN_NUMBER "2" at 410.769,359.41 h0.51; ASSEMBLY_BOTTOM "NO-POP" at 411.48,359.41 h0.64; ASSEMBLY_BOTTOM "TOLERANCE" at 411.48,356.87 h0.64; ASSEMBLY_BOTTOM "USERPART#" at 411.48,355.6 h0.64; SYMBOL_PART_DIM "PAD 35X32 OV" at 414.604,354.635 h0.64; SYMBOL_PART_DIM "C402-35X32" at 414.604,355.905 h0.64; SYMBOL_PART_DIM "0" at 411.683,357.276 h0.64; SYMBOL_PART_DIM "0" at 413.817,359.08 h0.64
R273: PIN_NUMBER "1" at 389.687,362.458 h0.51 r270; PIN_NUMBER "2" at 389.687,361.442 h0.51 r270; ASSEMBLY_TOP "10K" at 389.89,361.95 h0.64 r270; ASSEMBLY_TOP "TOLERANCE" at 387.35,361.95 h0.64 r270; ASSEMBLY_TOP "USERPART#" at 386.08,361.95 h0.64 r270; SYMBOL_PART_DIM "PAD 35X32 OV" at 385.115,365.074 h0.64 r270; SYMBOL_PART_DIM "C402-35X32" at 386.385,365.074 h0.64 r270; SYMBOL_PART_DIM "0" at 387.756,362.153 h0.64 r270; SYMBOL_PART_DIM "0" at 389.56,364.287 h0.64 r270
R274: PIN_NUMBER "1" at 404.292,363.982 h0.51 r90; PIN_NUMBER "2" at 404.292,364.998 h0.51 r90; ASSEMBLY_TOP "NO-POP" at 404.495,364.49 h0.64 r90; ASSEMBLY_TOP "TOLERANCE" at 407.035,364.49 h0.64 r90; ASSEMBLY_TOP "USERPART#" at 408.305,364.49 h0.64 r90; SYMBOL_PART_DIM "PAD 35X32 OV" at 409.27,361.366 h0.64 r90; SYMBOL_PART_DIM "C402-35X32" at 408,361.366 h0.64 r90; SYMBOL_PART_DIM "0" at 406.629,364.287 h0.64 r90; SYMBOL_PART_DIM "0" at 404.825,362.153 h0.64 r90
R275: PIN_NUMBER "1" at 410.769,358.14 h0.51; PIN_NUMBER "2" at 411.785,358.14 h0.51; ASSEMBLY_TOP "2K" at 411.48,358.14 h0.64; ASSEMBLY_TOP "TOLERANCE" at 411.48,355.6 h0.64; ASSEMBLY_TOP "USERPART#" at 411.48,354.33 h0.64; SYMBOL_PART_DIM "PAD 35X32 OV" at 408.356,353.365 h0.64; SYMBOL_PART_DIM "C402-35X32" at 408.356,354.635 h0.64; SYMBOL_PART_DIM "0" at 411.277,356.006 h0.64; SYMBOL_PART_DIM "0" at 409.143,357.81 h0.64
R276: PIN_NUMBER "1" at 414.452,357.505 h0.51; PIN_NUMBER "2" at 415.468,357.505 h0.51; ASSEMBLY_TOP "NO-POP" at 415.163,357.505 h0.64; ASSEMBLY_TOP "TOLERANCE" at 415.163,354.965 h0.64; ASSEMBLY_TOP "USERPART#" at 415.163,353.695 h0.64; SYMBOL_PART_DIM "PAD 35X32 OV" at 412.039,352.73 h0.64; SYMBOL_PART_DIM "C402-35X32" at 412.039,354 h0.64; SYMBOL_PART_DIM "0" at 414.96,355.371 h0.64; SYMBOL_PART_DIM "0" at 412.826,357.175 h0.64
R277: PIN_NUMBER "1" at 410.769,356.87 h0.51; PIN_NUMBER "2" at 411.785,356.87 h0.51; ASSEMBLY_TOP "NO-POP" at 411.48,356.87 h0.64; ASSEMBLY_TOP "TOLERANCE" at 411.48,354.33 h0.64; ASSEMBLY_TOP "USERPART#" at 411.48,353.06 h0.64; SYMBOL_PART_DIM "PAD 35X32 OV" at 408.356,352.095 h0.64; SYMBOL_PART_DIM "C402-35X32" at 408.356,353.365 h0.64; SYMBOL_PART_DIM "0" at 411.277,354.736 h0.64; SYMBOL_PART_DIM "0" at 409.143,356.54 h0.64
R278: PIN_NUMBER "1" at 414.452,356.235 h0.51; PIN_NUMBER "2" at 415.468,356.235 h0.51; ASSEMBLY_TOP "NO-POP" at 415.163,356.235 h0.64; ASSEMBLY_TOP "TOLERANCE" at 415.163,353.695 h0.64; ASSEMBLY_TOP "USERPART#" at 415.163,352.425 h0.64; SYMBOL_PART_DIM "PAD 35X32 OV" at 412.039,351.46 h0.64; SYMBOL_PART_DIM "C402-35X32" at 412.039,352.73 h0.64; SYMBOL_PART_DIM "0" at 414.96,354.101 h0.64; SYMBOL_PART_DIM "0" at 412.826,355.905 h0.64
R279: PIN_NUMBER "1" at 410.769,354.33 h0.51; PIN_NUMBER "2" at 411.785,354.33 h0.51; ASSEMBLY_TOP "NO-POP" at 411.48,354.33 h0.64; ASSEMBLY_TOP "TOLERANCE" at 411.48,351.79 h0.64; ASSEMBLY_TOP "USERPART#" at 411.48,350.52 h0.64; SYMBOL_PART_DIM "PAD 35X32 OV" at 408.356,349.555 h0.64; SYMBOL_PART_DIM "C402-35X32" at 408.356,350.825 h0.64; SYMBOL_PART_DIM "0" at 411.277,352.196 h0.64; SYMBOL_PART_DIM "0" at 409.143,354 h0.64
R280: PIN_NUMBER "1" at 413.944,346.075 h0.51; PIN_NUMBER "2" at 414.96,346.075 h0.51; ASSEMBLY_TOP "NO-POP" at 414.655,346.075 h0.64; ASSEMBLY_TOP "TOLERANCE" at 414.655,343.535 h0.64; ASSEMBLY_TOP "USERPART#" at 414.655,342.265 h0.64; SYMBOL_PART_DIM "PAD 35X32 OV" at 411.531,341.3 h0.64; SYMBOL_PART_DIM "C402-35X32" at 411.531,342.57 h0.64; SYMBOL_PART_DIM "0" at 414.452,343.941 h0.64; SYMBOL_PART_DIM "0" at 412.318,345.745 h0.64
R281: PIN_NUMBER "1" at 410.769,345.44 h0.51; PIN_NUMBER "2" at 411.785,345.44 h0.51; ASSEMBLY_TOP "NO-POP" at 411.48,345.44 h0.64; ASSEMBLY_TOP "TOLERANCE" at 411.48,342.9 h0.64; ASSEMBLY_TOP "USERPART#" at 411.48,341.63 h0.64; SYMBOL_PART_DIM "PAD 35X32 OV" at 408.356,340.665 h0.64; SYMBOL_PART_DIM "C402-35X32" at 408.356,341.935 h0.64; SYMBOL_PART_DIM "0" at 411.277,343.306 h0.64; SYMBOL_PART_DIM "0" at 409.143,345.11 h0.64